# Altium PCB CRD25DA12N-FMC V1.1 (07-2023).PcbDoc (part 2 of 7) (continued)
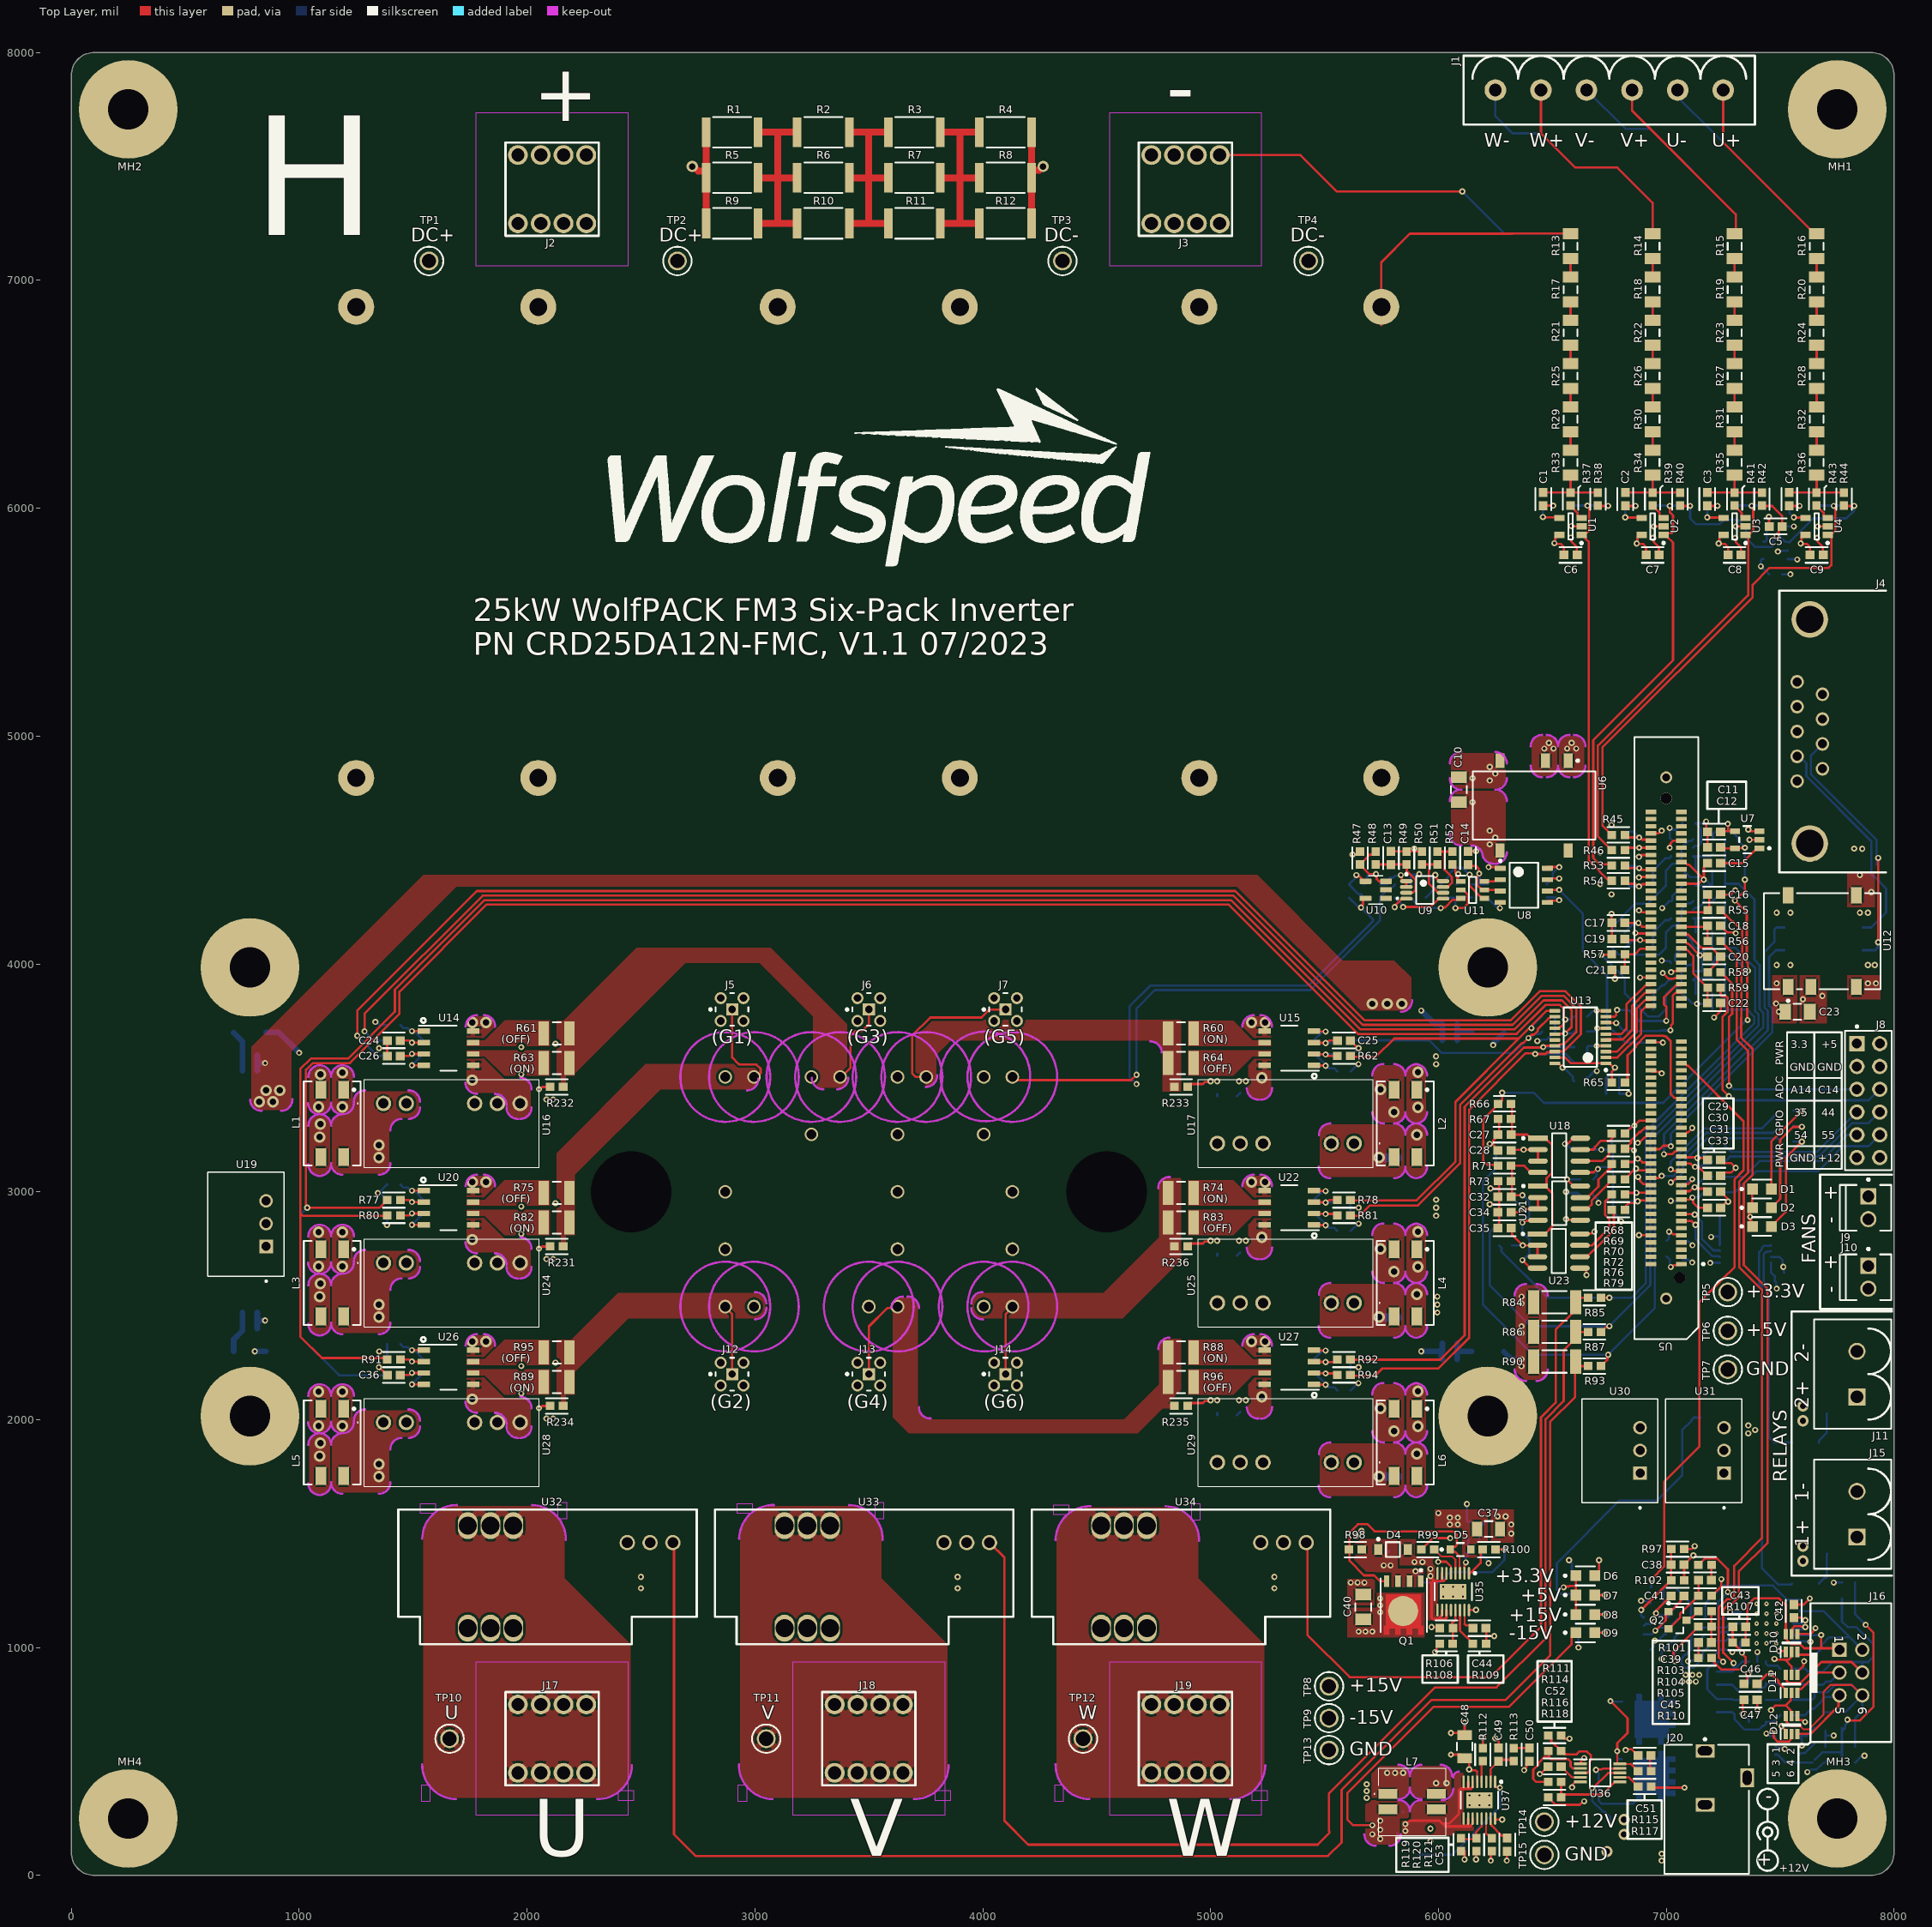
[diagram p0: Top Layer view]
## Part data
C1 C17 C19 C21 C28 C34 C35 C51 C60 C69 C78 C84 C169: "CAP CER 4700PF 25V 10% X7R 0603", Capacitance=4.7nF, Case Code (Imperial)=0603, Case Code (Metric)=1608, Dielectric=X7R, Dielectric Material=Ceramic, Manufacturer=KEMET, Manufacturer Part Number=C0603C472K3RACTU, Max Operating Temperature=125°C, Min Operating Temperature=-55°C, Package Quantity=1, Supplier Part Number 1=67AH9250, TOLERANCE=10%, Voltage Rating=25V, Category="Ceramic Capacitors", ComponentLink1Description=https://datasheet.ciiva.com/5414/kem-c1002-x7r-smd-357932-5414293.pdf?src-supplier=Mouser, ComponentLink1URL=https://datasheet.ciiva.com/5414/kem-c1002-x7r-smd-357932-5414293.pdf?src-supplier=Mouser, Construction=Flat, Depth=0.8mm, Dissipation Factor=10%, Height=0.8mm, Lead Pitch=0.7mm, Length=1.6mm, Mount="Surface Mount", Package=0603, Packaging="Tape and Reel", Pricing 1="1=0.04800, 4000=0.04800 (USD)", Radiation Hardening=No, Reach SVHC Compliant=Yes, RoHS=Yes, RoHS Compliant=Yes, Series=C, Stock 1=8000, Supplier 1=Newark, Termination=SMD/SMT, Thickness=0.034inch, Voltage Rating (DC)=25V, Width=0.031inch
C2 C3 C4 C39 C45 C57 C58 C59: "CAP CER 10000PF 25V X7R 0603", Capacitance=10nF, Case Code (Imperial)=0603, Case Code (Metric)=1608, Manufacturer=SAMSUNG, Max Operating Temperature=125°C, Min Operating Temperature=-55°C, Ratings=AEC-Q200, TOLERANCE=10%, Voltage Rating=25V, Category="Ceramic Capacitors", ComponentLink1Description=http://www.samsungsem.com/kr/support/product-search/mlcc/CL10B103KA8WPNC.jsp?src-supplier=Digi-Key, ComponentLink1URL=http://www.samsungsem.com/kr/support/product-search/mlcc/CL10B103KA8WPNC.jsp?src-supplier=Digi-Key, ComponentLink2Description=http://www.samsungsem.com/kr/support/library/product-catalog/mlcc.jsp?src-supplier=Digi-Key, ComponentLink2URL=http://www.samsungsem.com/kr/support/library/product-catalog/mlcc.jsp?src-supplier=Digi-Key, ComponentLink3Description=http://www.samsungsem.com/servlet/FileDownload?filename=productcatalog/pdf/MLCC.pdf&src-supplier=Avnet, ComponentLink3URL=http://www.samsungsem.com/servlet/FileDownload?filename=productcatalog/pdf/MLCC.pdf&src-supplier=Avnet, Features="Soft Termination", Length=0.063inch, Manufacturer Part Number=CL10B103KA8WPNC, Mount="Surface Mount", Package=0603, Packaging="Tape and Reel", Pricing 1="4000=0.00760, 8000=0.00670, 28000=0.00660, 100000=0.00500 (USD)", RoHS=Yes, RoHS Compliant=Yes, Stock 1=144000, Supplier 1="Arrow Electronics", Supplier Part Number 1=CL10B103KA8WPNC, Thickness=0.035inch, Width=0.031inch
C5 C6 C7 C8 C9 C11 C12 C13 C14 C15 C27 C32 C38 C42 C44 C46 C47 C53 C61 C62 C64 C73 C74 C75 C76 C77 C81 C82 C83 C104 C109 C111 C114 C126 C129 C167 C171 C172 C177 C179 C180 C181: library part CMP-2006-03057-2, "CAP CER 0.1UF 25V X7R 0603", Capacitance=0.10μF, Manufacturer=KEMET, Package=0603, Temperature="-55°C to +125°C", Temperature Characteristic=X7R, Temperature Coefficient=30ppm/°C, Temperature Range High=+125°C, Temperature Range Low=-55°C, TOLERANCE=0.1, Voltage Rating=25V, Automotive=Yes, Automotive Grade="Grade 1", Category=Cap, ComponentLink2Description=Datasheet, ComponentLink2URL=https://api.kemet.com/component-edge/download/datasheet/C0603C100J5GACAUTO.pdf, Device Class L1="Passive Components", Device Class L2=Capacitors, Device Class L3="Ceramic Capacitors", Digikey Description="CAP CER 0.1UF 25V X7R 0603", Height=0.87mm, Lead Free=Yes, Manufacturer Part Number=C0603C104K3RACTU, Material=Ceramic, Mouser Description="Multilayer Ceramic Capacitors MLCC - SMD/SMT 25volts 0.1uF X7R 10%", Octopart=https://octopart.com/c0603c104k3ractu-kemet-127541, RoHS=TRUE
C10 C23 C40 C63 C67 C91 C92 C96 C97 C98 C99 C100 C101 C105 C106 C112 C122 C123 C125 C127 C128 C130 C131 C133 C134 C135 C136 C143 C144 C146 C147 C148 C149 C150 C151 C152 C153 C154 C155 C156 C157 C183 C184: library part CMP-13271-001434-1, "CAP CER 10UF 25V X7R 1206", Capacitance=10μF, Case Code (Imperial)=1206, Case Code (Metric)=3216, Dielectric=X7R, Manufacturer=SAMSUNG, Max Operating Temperature=125°C, Min Operating Temperature=-55°C, Package Quantity=1, TOLERANCE=10%, Voltage Rating=25V, Contact Plating=Tin, Depth=1.6mm, Height=1.6mm, Length=0.126inch, Manufacturer Part Number=CL31B106KAHSFNE, Mount="Surface Mount", Package=1206, Packaging="Tape and Reel", Radiation Hardening=No, Thickness=0.071inch, Width=0.063inch
C16 C18 C41 C50 C158: library part CMP-2006-03716-2, "CAP CER 1000PF 50V X7R 0603", Capacitance=1nF, Manufacturer=KEMET, Package=0603, Temperature="-55°C to +125°C", Temperature Characteristic=X7R, Temperature Coefficient=30ppm/°C, Temperature Range High=+125°C, Temperature Range Low=-55°C, TOLERANCE=0.1, Voltage Rating="50 V", Automotive=Yes, Automotive Grade="Grade 1", Category=Cap, ComponentLink2Description=Datasheet, ComponentLink2URL=https://api.kemet.com/component-edge/download/datasheet/C0603C100J5GACAUTO.pdf, Device Class L1="Passive Components", Device Class L2=Capacitors, Device Class L3="Ceramic Capacitors", Digikey Description="CAP CER 1000PF 50V X7R 0603", Height=0.87mm, Lead Free=Yes, Manufacturer Part Number=C0603C102K5RACAUTO, Material=Ceramic, Mouser Description="Multilayer Ceramic Capacitors MLCC - SMD/SMT 1000pF 50volts 10% X7R AUTO", Octopart=https://octopart.com/c0603c102k5racauto-kemet-18822673, RoHS=TRUE
C20 C22 C24 C25 C26 C29 C30 C31 C33 C36 C49 C90 C94 C102 C103 C107 C108 C113 C115 C116 C119 C120 C121 C138 C139 C142 C160: "CAP CER 56PF 50V C0G/NP0 0603", Capacitance=56pF, Case Code (Imperial)=0603, Case Code (Metric)=1608, Dielectric=C0G, Manufacturer=SAMSUNG, Max Operating Temperature=125°C, Min Operating Temperature=-55°C, Package Quantity=1, Temperature Coefficient=30ppm/°C, TOLERANCE=5%, Voltage=50V, Category="Ceramic Capacitors", ComponentLink1Description=https://datasheet.ciiva.com/25803/cl10c560jb8nnnc-25803592.pdf?src-supplier=Digi-Key, ComponentLink1URL=https://datasheet.ciiva.com/25803/cl10c560jb8nnnc-25803592.pdf?src-supplier=Digi-Key, ComponentLink2Description=https://datasheet.ciiva.com/26838/getdatasheetpartid-640760-26838546.pdf?src-supplier=Verical, ComponentLink2URL=https://datasheet.ciiva.com/26838/getdatasheetpartid-640760-26838546.pdf?src-supplier=Verical, ComponentLink3Description=https://datasheet.ciiva.com/29198/456837-da-01-en-vs-kondensator-0603-29198873.pdf?src-supplier=Conrad, ComponentLink3URL=https://datasheet.ciiva.com/29198/456837-da-01-en-vs-kondensator-0603-29198873.pdf?src-supplier=Conrad, ComponentLink4Description=https://datasheet.ciiva.com/48428/mlcc-catalogdownload2013-eng-48428598.pdf?src-supplier=Distrelec, ComponentLink4URL=https://datasheet.ciiva.com/48428/mlcc-catalogdownload2013-eng-48428598.pdf?src-supplier=Distrelec, ComponentLink5Description=https://datasheet.ciiva.com/16449/cl05b104kq5nnnc-16449527.pdf?src-supplier=Future+Electronics, ComponentLink5URL=https://datasheet.ciiva.com/16449/cl05b104kq5nnnc-16449527.pdf?src-supplier=Future+Electronics, Construction=Flat, Depth=0.8mm, Height=0.8mm, Lead Free="Lead Free", Length=1.6mm, Manufacturer Part Number=CL10C560JB8NNNC, Material=Ceramic, Mount="Surface Mount", Package=0603, Packaging="Tape and Reel", Pricing 1="1=0.05960, 10=0.01370, 25=0.01360, 100=0.01080, 250=0.01070, 500=0.00740, 1000=0.00590, 3000=0.00560, 6000=0.00530, 15000=0.00500, 30000=0.00470 (USD)", Radiation Hardening=No, RoHS=Yes, RoHS Compliant=Yes, Series=CL, Stock 1=60182, Supplier 1="Arrow Electronics", Supplier Part Number 1=CL10C560JB8NNNC, Termination=SMD/SMT, Thickness=0.035inch, Voltage Rating=50V, Voltage Rating (DC)=50V, Width=0.031inch
C37 C48 C159 C161 C162 C163 C164 C165 C166: library part CMP-13271-001123-1, "CAP CER 4.7UF 50V X7R 1206", Capacitance=4.7μF, Case Code (Imperial)=1206, Case Code (Metric)=3216, Dielectric=X7R, Manufacturer=SAMSUNG, Max Operating Temperature=125°C, Min Operating Temperature=-55°C, Package Quantity=1, TOLERANCE=10%, Voltage Rating=50V, Depth=1.6mm, Height=1.6mm, Length=3.2mm, Manufacturer Part Number=CL31B475KBHNFNE, Mount="Surface Mount", Package=1206, Packaging="Tape and Reel", Radiation Hardening=No, Thickness=0.071inch, Width=0.063inch
C43 C170: "CAP CER 18PF 50V C0G/NP0 0603", Capacitance=18pF, Case Code (Imperial)=0603, Case Code (Metric)=1608, Dielectric=C0G, Dielectric Material=Ceramic, Insulation Resistance=100GR, Manufacturer="KYOCERA AVX", Max Operating Temperature=125°C, Min Operating Temperature=-55°C, Package Quantity=1, Supplier Part Number 1=1349617, Temperature Coefficient=30ppm/°C, TOLERANCE=5%, Voltage=50V, Category="Ceramic Capacitors", ComponentLink1Description=https://datasheet.ciiva.com/1124/84496-1124722.pdf?src-supplier=Element14, ComponentLink1URL=https://datasheet.ciiva.com/1124/84496-1124722.pdf?src-supplier=Element14, ComponentLink2Description=https://datasheet.ciiva.com/22699/84496-22699967.pdf?src-supplier=Element14, ComponentLink2URL=https://datasheet.ciiva.com/22699/84496-22699967.pdf?src-supplier=Element14, ComponentLink3Description=https://datasheet.ciiva.com/7855/759117-7855062.pdf?src-supplier=Element14, ComponentLink3URL=https://datasheet.ciiva.com/7855/759117-7855062.pdf?src-supplier=Element14, ComponentLink4Description=https://datasheet.ciiva.com/7855/84496-7855222.pdf?src-supplier=Element14, ComponentLink4URL=https://datasheet.ciiva.com/7855/84496-7855222.pdf?src-supplier=Element14, ComponentLink5Description=https://datasheet.ciiva.com/150/ccog-150276.pdf?src-supplier=Digi-Key, ComponentLink5URL=https://datasheet.ciiva.com/150/ccog-150276.pdf?src-supplier=Digi-Key, ComponentLink6Description=https://datasheet.ciiva.com/150/ccog-150277.pdf?src-supplier=Digi-Key, ComponentLink6URL=https://datasheet.ciiva.com/150/ccog-150277.pdf?src-supplier=Digi-Key, Contact Plating=Tin,Matte, Depth=0.81mm, Height=0.86mm, Lead Free="Lead Free", Length=1.6mm, Manufacturer Part Number=06035A180JAT2A, Mount="Surface Mount", Number of Pins=2, Package=0603, Packaging="Tape and Reel", Pricing 1="4000=0.01900, 12000=0.01700 (USD)", Radiation Hardening=No, Reach SVHC Compliant=Yes, RoHS=Yes, RoHS Compliant=Yes, Series=-, Stock 1=1, Supplier 1=Rs, Termination=SMD/SMT, Thickness=0.035inch, Voltage Rating=50V, Voltage Rating (DC)=50V, Width=0.032inch
C52: "CAP CER 0.022UF 50V X7R 0805", Capacitance=22nF, Case Code (Imperial)=0805, Case Code (Metric)=2012, Dielectric=X7R, Dielectric Material=Ceramic, Insulation Resistance=100GR, Manufacturer=YAGEO, Max Operating Temperature=125°C, Min Operating Temperature=-55°C, Package Quantity=1, Supplier Part Number 1=2104784, TOLERANCE=10%, Voltage=50V, Category="Ceramic Capacitors", ComponentLink1Description=https://datasheet.ciiva.com/33738/70765-33738014.pdf?src-supplier=Farnell, ComponentLink1URL=https://datasheet.ciiva.com/33738/70765-33738014.pdf?src-supplier=Farnell, ComponentLink2Description=https://datasheet.ciiva.com/46393/1489800-46393306.pdf?src-supplier=Element14, ComponentLink2URL=https://datasheet.ciiva.com/46393/1489800-46393306.pdf?src-supplier=Element14, ComponentLink3Description=https://datasheet.ciiva.com/7978/1489800-7978213.pdf?src-supplier=Element14, ComponentLink3URL=https://datasheet.ciiva.com/7978/1489800-7978213.pdf?src-supplier=Element14, ComponentLink4Description=https://datasheet.ciiva.com/28450/1489800-28450821.pdf?src-supplier=Element14, ComponentLink4URL=https://datasheet.ciiva.com/28450/1489800-28450821.pdf?src-supplier=Element14, ComponentLink5Description=https://datasheet.ciiva.com/144/mlccorderingcode-144788.pdf?src-supplier=Digi-Key, ComponentLink5URL=https://datasheet.ciiva.com/144/mlccorderingcode-144788.pdf?src-supplier=Digi-Key, ComponentLink6Description=https://datasheet.ciiva.com/144/mlccorderingcode-144787.pdf?src-supplier=Digi-Key, ComponentLink6URL=https://datasheet.ciiva.com/144/mlccorderingcode-144787.pdf?src-supplier=Digi-Key, ComponentLink7Description=https://datasheet.ciiva.com/144/mlccorderingcode-144789.pdf?src-supplier=Digi-Key, ComponentLink7URL=https://datasheet.ciiva.com/144/mlccorderingcode-144789.pdf?src-supplier=Digi-Key, ComponentLink8Description=https://datasheet.ciiva.com/46392/1489800-46392565.pdf?src-supplier=Element14, ComponentLink8URL=https://datasheet.ciiva.com/46392/1489800-46392565.pdf?src-supplier=Element14, ComponentLink9Description=https://datasheet.ciiva.com/11464/upy-gphc-x7r-6-3v-to-50v-8-11464758.pdf?src-supplier=Avnet, ComponentLink9URL=https://datasheet.ciiva.com/11464/upy-gphc-x7r-6-3v-to-50v-8-11464758.pdf?src-supplier=Avnet, ComponentLink10Description=https://datasheet.ciiva.com/15189/getdatasheetpartid-343434-15189228.pdf?src-supplier=Verical, ComponentLink10URL=https://datasheet.ciiva.com/15189/getdatasheetpartid-343434-15189228.pdf?src-supplier=Verical, ComponentLink11Description=https://datasheet.ciiva.com/29242/445416-da-01-en-kerko-chip-0805-x7r-0-022uf-10proz50vg-29242108.pdf?src-supplier=Conrad, ComponentLink11URL=https://datasheet.ciiva.com/29242/445416-da-01-en-kerko-chip-0805-x7r-0-022uf-10proz50vg-29242108.pdf?src-supplier=Conrad, Depth=1.25mm, Halogen Free="Halogen Free", Height=0.6mm, Lead Free="Lead Free", Length=2mm, Manufacturer Part Number=CC0805KRX7R9BB223, Material=Ceramic, Mount="Surface Mount", Number of Pins=2, Package=0805, Packaging="Tape and Reel", Pricing 1="4000=0.00800, 16000=0.00760, 60000=0.00730, 100000=0.00710, 200000=0.00670 (USD)", Radiation Hardening=No, Reach SVHC Compliant=Yes, Resistor Type=Ceramic, RoHS=Yes, RoHS Compliant=Yes, Series=CC, Stock 1=1604000, Supplier 1="Future Electronics", Termination=SMD/SMT, Thickness=0.024inch, Voltage Rating=50V, Voltage Rating (DC)=50V, Width=1.25mm
C54 C55 C56: "CAP FILM 65UF 5% 1.1KVDC RAD", Capacitance=65µF, Manufacturer=KEMET, Package=RADIAL, Supplier Part Number 1=399-C4AQQEW5650A3BJ-ND, Voltage=1.1kV, Category="Film Capacitors", Manufacturer Part Number=C4AQQEW5650A3BJ, Pricing 1="1=19.26000, 10=18.24800, 50=15.71360, 100=14.69980, 500=13.17910 (USD)", RoHS=Yes, RoHS Compliant=No, Stock 1=1080, Supplier 1=Digi-Key
C65 C66 C68 C72: library part CMP-06035-043171-1, "CAP CER 0.27UF 16V X7R 0603", Capacitance=0.27μF, Dielectric=X7R, Manufacturer=MURATA, Package=0603, TOLERANCE=10%, Voltage Rating (DC)=16V, Manufacturer Part Number=GCM188R71C274KA37D
C70 C71 C79 C80 C85 C86: "CAP CER 100PF 50V C0G/NP0 0603", Capacitance=100pF, Case Code (Imperial)=0603, Case Code (Metric)=1608, Dielectric=C0G, Manufacturer=SAMSUNG, Max Operating Temperature=125°C, Min Operating Temperature=-55°C, Package Quantity=1, Supplier Part Number 1=7665130, Temperature Coefficient=300ppm/°C, TOLERANCE=5%, Voltage=50V, Category="Ceramic Capacitors", ComponentLink1Description=https://datasheet.ciiva.com/25782/cl10c101jb8nnnc-25782145.pdf?src-supplier=Digi-Key, ComponentLink1URL=https://datasheet.ciiva.com/25782/cl10c101jb8nnnc-25782145.pdf?src-supplier=Digi-Key, ComponentLink2Description=https://datasheet.ciiva.com/26838/getdatasheetpartid-358356-26838483.pdf?src-supplier=Verical, ComponentLink2URL=https://datasheet.ciiva.com/26838/getdatasheetpartid-358356-26838483.pdf?src-supplier=Verical, ComponentLink3Description=https://datasheet.ciiva.com/29199/456574-da-01-en-vs-kondensator-0603-29199002.pdf?src-supplier=Conrad, ComponentLink3URL=https://datasheet.ciiva.com/29199/456574-da-01-en-vs-kondensator-0603-29199002.pdf?src-supplier=Conrad, ComponentLink4Description=https://datasheet.ciiva.com/26310/mlcc-catalogdownload2013-eng-26310303.pdf?src-supplier=Distrelec, ComponentLink4URL=https://datasheet.ciiva.com/26310/mlcc-catalogdownload2013-eng-26310303.pdf?src-supplier=Distrelec, Construction=Flat, Contact Plating=Tin, Depth=0.8mm, Height=0.8mm, Lead Free="Lead Free", Length=1.6mm, Manufacturer Part Number=CL10C101JB8NNNC, Material=Ceramic, Mount="Surface Mount", Package=0603, Packaging="Tape and Reel", Radiation Hardening=No, RoHS=Yes, RoHS Compliant=Yes, Series=CL, Stock 1=488000, Supplier 1=Rs, Thickness=0.035inch, Voltage Rating=50V, Voltage Rating (DC)=50V, Width=0.031inch
C87 C88 C89 C93 C95 C110 C117 C118 C124 C132 C137 C140 C141 C145: "CAP CER 2.2UF 50V X5R 0603", Capacitance=2.2μF, Case Code (Imperial)=0603, Case Code (Metric)=1608, Manufacturer=MURATA, Max Operating Temperature=85°C, Min Operating Temperature=-55°C, Ratings=AEC-Q200, TOLERANCE=20%, Voltage Rating=50V, Category="Ceramic Capacitors", ComponentLink1Description=http://search.murata.co.jp/Ceramy/image/img/A01X/G101/ENG/GRT188R61H225ME13-01.pdf?src-supplier=Digi-Key, ComponentLink1URL=http://search.murata.co.jp/Ceramy/image/img/A01X/G101/ENG/GRT188R61H225ME13-01.pdf?src-supplier=Digi-Key, ComponentLink2Description=https://search.murata.co.jp/Ceramy/image/img/A01X/G101/ENG/GRT188R61H225ME13-01.pdf?src-supplier=Digi-Key, ComponentLink2URL=https://search.murata.co.jp/Ceramy/image/img/A01X/G101/ENG/GRT188R61H225ME13-01.pdf?src-supplier=Digi-Key, Length=0.063inch, Manufacturer Part Number=GRT188R61H225ME13D, Mount="Surface Mount", Package=0603, Packaging="Tape and Reel", Pricing 1="1=0.29580, 10=0.20370, 25=0.18090, 100=0.12380, 250=0.12190, 500=0.10920, 1000=0.07700, 3000=0.07630 (USD)", RoHS=Yes, RoHS Compliant=Yes, Stock 1=3937, Supplier 1="Arrow Electronics", Supplier Part Number 1=GRT188R61H225ME13D, Thickness=0.035inch, Width=0.031inch
C168 C174 C176 C178: library part CMP-03020-020944-2, "CAP CER 330PF 250V C0G/NP0 0603", Capacitance=330pF, Manufacturer=KEMET, Package=0603, Temperature="-55°C to +125°C", Temperature Characteristic=C0G, Temperature Coefficient=30ppm/°C, Temperature Range High=+125°C, Temperature Range Low=-55°C, TOLERANCE=0.05, Voltage Rating="250 V", Automotive=Yes, Automotive Grade="Grade 1", Category=Cap, ComponentLink2Description=Datasheet, ComponentLink2URL=https://api.kemet.com/component-edge/download/datasheet/C0603C100J5GACAUTO.pdf, Device Class L1="Passive Components", Device Class L2=Capacitors, Device Class L3="Ceramic Capacitors", Digikey Description="Cap Ceramic 330pF 250V C0G 5% SMD 0603 125°C Paper T/R", Height=0.87mm, Lead Free=Yes, Manufacturer Part Number=C0603C331JAGAC7867, Material=Ceramic, Octopart=https://octopart.com/c0603c331jagac7867-kemet-83501965, RoHS=TRUE
C173 C175: "CAP CER 47PF 100V C0G/NP0 0603", Capacitance=47pF, Case Code (Imperial)=0603, Case Code (Metric)=1608, Dielectric=C0G, Dielectric Material=Ceramic, Manufacturer=KEMET, Max Operating Temperature=125°C, Min Operating Temperature=-55°C, Package Quantity=4000, Supplier Part Number 1=8015369, Temperature Coefficient=30ppm/°C, TOLERANCE=5%, Voltage=100V, Category="Ceramic Capacitors", ComponentLink1Description=https://datasheet.ciiva.com/28668/1789732-28668693.pdf?src-supplier=Element14, ComponentLink1URL=https://datasheet.ciiva.com/28668/1789732-28668693.pdf?src-supplier=Element14, Construction=Flat, Depth=0.8mm, Dissipation Factor=0.1%, Height=0.8mm, Lead Free="Lead Free", Lead Pitch=0.7mm, Length=1.6mm, Manufacturer Part Number=C0603C470J1GACTU, Mount="Surface Mount,PCB", Number of Pins=2, Package=0603, Packaging="Tape and Reel", Pricing 1="100=0.04300, 1000=0.03200, 2000=0.02200, 4000=0.02100, 8000=0.02000 (USD)", Radiation Hardening=No, Reach SVHC Compliant=Yes, RoHS=Yes, RoHS Compliant=Yes, Series=C, Stock 1=1, Supplier 1=Rs, Termination=SMD/SMT, Thickness=0.034inch, Voltage Rating=100V, Voltage Rating (DC)=100V, Width=0.031inch
C182: "CAP CER 1UF 50V X7R 0805", Capacitance=1μF, Case Code (Imperial)=0805, Case Code (Metric)=2012, Dielectric=X7R, Manufacturer=SAMSUNG, Max Operating Temperature=125°C, Min Operating Temperature=-55°C, Package Quantity=1, Supplier Part Number 1=82AC9436, TOLERANCE=10%, Voltage=50V, Case/Package=0805, Category="Ceramic Capacitors", ComponentLink1Description=https://datasheet.ciiva.com/25800/cl21b105kbfnnne-25800291.pdf?src-supplier=Digi-Key, ComponentLink1URL=https://datasheet.ciiva.com/25800/cl21b105kbfnnne-25800291.pdf?src-supplier=Digi-Key, ComponentLink2Description=https://datasheet.ciiva.com/16449/cl21b105kbfnnne-16449003.pdf?src-supplier=Future+Electronics, ComponentLink2URL=https://datasheet.ciiva.com/16449/cl21b105kbfnnne-16449003.pdf?src-supplier=Future+Electronics, ComponentLink3Description=https://datasheet.ciiva.com/26838/getdatasheetpartid-354075-26838668.pdf?src-supplier=Verical, ComponentLink3URL=https://datasheet.ciiva.com/26838/getdatasheetpartid-354075-26838668.pdf?src-supplier=Verical, Construction=Flat, Depth=1.25mm, Height=1.25mm, Length=2mm, Manufacturer Part Number=CL21B105KBFNNNE, Mount="Surface Mount", Package=0805, Packaging="Tape and Reel", Pricing 1="1=0.01000, 2000=0.01000, 4000=0.01000 (USD)", Radiation Hardening=No, RoHS=Yes, RoHS Compliant=Yes, Series=CL, Stock 1=42000, Supplier 1=Newark, Thickness=0.053inch, Voltage Rating=50V, Width=0.049inch
D1: "LED RED DIFFUSED 0805 SMD", Case Code (Imperial)=0805, Case Code (Metric)=2012, Color=RED, Forward Current=20mA, Forward Voltage=2V, Illumination Color=Red, Manufacturer="VISUAL COMMUNICATIONS", Max Operating Temperature=85°C, Min Operating Temperature=-40°C, Package Quantity=1, Power Rating=100mW, Reverse Voltage=5V, Supplier Part Number 1=45X6246, Category=LEDs, ComponentLink1Description=http://www.mouser.com/ds/2/423/CMD1721ver1-1064576.pdf?src-supplier=Mouser, ComponentLink1URL=http://www.mouser.com/ds/2/423/CMD1721ver1-1064576.pdf?src-supplier=Mouser, ComponentLink2Description=https://www.alliedelec.com/m/d/ea8f758becbd32522d2612194452bcae.pdf?src-supplier=Allied+Electronics, ComponentLink2URL=https://www.alliedelec.com/m/d/ea8f758becbd32522d2612194452bcae.pdf?src-supplier=Allied+Electronics, ComponentLink3Description=http://www.onlinecomponents.com/productFiles/mf-CM/2cmd17-21seriessmtleds0805packagesize.pdf?src-supplier=Onlinecomponents.com, ComponentLink3URL=http://www.onlinecomponents.com/productFiles/mf-CM/2cmd17-21seriessmtleds0805packagesize.pdf?src-supplier=Onlinecomponents.com, ComponentLink4Description=https://vcclite.com/wp-content/uploads/wpallimport/files/files/CMD1721Seriesver3.pdf?src-supplier=Digi-Key, ComponentLink4URL=https://vcclite.com/wp-content/uploads/wpallimport/files/files/CMD1721Seriesver3.pdf?src-supplier=Digi-Key, Height=1.1mm, Lead Free="Lead Free", Length=2mm, Lens Color=Red, Lens Style=Diffused,Tinted,Rectangular,Colored, Luminous Intensity=6mcd, Manufacturer Part Number=CMD17-21VRD/TR8, Mount="Surface Mount", Number of LEDs=1, Number of Pins=2, Package=0805, Packaging="Tape and Reel", Pricing 1="1=0.55000, 25=0.37500, 50=0.31600, 100=0.25700, 250=0.25600, 500=0.25400, 1000=0.21500 (USD)", Reverse Voltage (DC)=5V, RoHS=Yes, RoHS Compliant=Yes, Stock 1=1791, Supplier 1=Newark, Test Current=20mA, Viewing Angle=140°, Wavelength=640nm, Width=1.25mm
D2: "LED YELLOW CLEAR 0805 SMD", Case Code (Imperial)=0805, Case Code (Metric)=2012, Color=Yellow, Forward Current=30mA, Forward Voltage=2V, Lens Color=Colorless, Manufacturer=LITE-ON, Max Operating Temperature=85°C, Max Power Dissipation=75mW, Min Operating Temperature=-55°C, Package Quantity=1, Reverse Voltage=5V, Supplier Part Number 1=6920950, Test Current=20mA, Category=LEDs, ComponentLink1Description=https://datasheet.ciiva.com/19466/2075639-19466196.pdf?src-supplier=Jameco, ComponentLink1URL=https://datasheet.ciiva.com/19466/2075639-19466196.pdf?src-supplier=Jameco, ComponentLink2Description=https://datasheet.ciiva.com/12403/lite-on-ltst-c171kskt-190118-12403721.pdf?src-supplier=Mouser, ComponentLink2URL=https://datasheet.ciiva.com/12403/lite-on-ltst-c171kskt-190118-12403721.pdf?src-supplier=Mouser, ComponentLink3Description=https://datasheet.ciiva.com/16200/lite-on20ltst-c171kskt-16200102.pdf?src-supplier=Future+Electronics, ComponentLink3URL=https://datasheet.ciiva.com/16200/lite-on20ltst-c171kskt-16200102.pdf?src-supplier=Future+Electronics, ComponentLink4Description=https://datasheet.ciiva.com/15118/getdatasheetpartid-233685-15118145.pdf?src-supplier=Verical, ComponentLink4URL=https://datasheet.ciiva.com/15118/getdatasheetpartid-233685-15118145.pdf?src-supplier=Verical, ComponentLink5Description=https://datasheet.ciiva.com/11774/0900766b80dc029a-11774587.pdf?src-supplier=Rs, ComponentLink5URL=https://datasheet.ciiva.com/11774/0900766b80dc029a-11774587.pdf?src-supplier=Rs, ComponentLink6Description=https://datasheet.ciiva.com/2110/s-110-ltst-c171kskt-2110148.pdf?src-supplier=Digi-Key, ComponentLink6URL=https://datasheet.ciiva.com/2110/s-110-ltst-c171kskt-2110148.pdf?src-supplier=Digi-Key, ComponentLink7Description=https://datasheet.ciiva.com/2110/s-110-ltst-c171kskt-2110147.pdf?src-supplier=Digi-Key, ComponentLink7URL=https://datasheet.ciiva.com/2110/s-110-ltst-c171kskt-2110147.pdf?src-supplier=Digi-Key, ComponentLink8Description=https://datasheet.ciiva.com/2110/s-110-ltst-c171kskt-2110149.pdf?src-supplier=Digi-Key, ComponentLink8URL=https://datasheet.ciiva.com/2110/s-110-ltst-c171kskt-2110149.pdf?src-supplier=Digi-Key, Depth=1.25mm, Dominant Wavelength=587nm, Height=0.8mm, Illumination Color=Yellow, Lead Free="Lead Free", Length=2mm, Lens Style=Diffused,Colorless,Rectangular,Clear, Lens Transparency=Clear, Luminous Intensity=50mcd, Manufacturer Part Number=LTST-C171KSKT, Mount="Surface Mount", Number of Elements=1, Number of LEDs=1, Number of Pins=2, Package=0805, Packaging="Tape and Reel", Power Dissipation=75mW, Power Rating=75mW, Radiation Hardening=No, RoHS=Yes, RoHS Compliant=Yes, Series="CHIPLED 0805", Stock 1=850, Supplier 1=Rs, Viewing Angle=130°, Wavelength=588nm, Width=1.25mm
D3 D6 D7 D8 D9: library part CMP-22017-000007-1, "LED GREEN CLEAR CHIP SMD", Case Code (Imperial)=0805, Case Code (Metric)=2012, Color=GREEN, Forward Current=30mA, Forward Voltage=2.1V, Illumination Color=Green, Lens Color=Colorless, Manufacturer=LITE-ON, Max Operating Temperature=85°C, Min Operating Temperature=-55°C, Package Quantity=1, Power Dissipation=100mW, Reverse Voltage=5V, Test Current=10mA, Case/Package=0805, Depth=1.25mm, Dominant Wavelength=569nm, Height=0.8mm, Lead Free="Lead Free", Length=2mm, Lens Style=Diffused, Lens Transparency=Clear, Luminous Intensity=12mcd, Manufacturer Part Number=LTST-C171GKT, Mount="Surface Mount", Number of Elements=1, Number of LEDs=1, Number of Pins=2, Package=0805, Packaging="Tape and Reel", Power Rating=100mW, Radiation Hardening=No, Viewing Angle=130°, Wavelength=585nm, Width=1.25mm
D4 D17 D18 D19: "DIODE SCHOTTKY 60V 2A SOD123FL", Average Rectified Current=2A, Forward Voltage=700mV, Manufacturer="MICRO COMMERCIAL", Manufacturer Print=MICRO, Max Operating Temperature=125°C, Max Power Dissipation=1.68W, Max Repetitive Reverse Voltage (Vrrm)=60V, Max Reverse Current=500uA, Max Surge Current=50A, Min Operating Temperature=-65°C, Package=SOD-123F, Package Quantity=1, Supplier Part Number 1=SMD26PL-TPMSCT-ND, Category="Rectifier Diodes", ComponentLink1Description=https://datasheet.ciiva.com/4717/smd22pl-smd210plsod-123fl-27814-4717414.pdf?src-supplier=Mouser, ComponentLink1URL=https://datasheet.ciiva.com/4717/smd22pl-smd210plsod-123fl-27814-4717414.pdf?src-supplier=Mouser, ComponentLink2Description=https://datasheet.ciiva.com/17444/smd22pl-smd210plsod-123fl-17444944.pdf?src-supplier=Future+Electronics, ComponentLink2URL=https://datasheet.ciiva.com/17444/smd22pl-smd210plsod-123fl-17444944.pdf?src-supplier=Future+Electronics, ComponentLink3Description=https://datasheet.ciiva.com/917/smd22pl-smd210plsod-123fl-917242.pdf?src-supplier=Digi-Key, ComponentLink3URL=https://datasheet.ciiva.com/917/smd22pl-smd210plsod-123fl-917242.pdf?src-supplier=Digi-Key, ComponentLink4Description=https://datasheet.ciiva.com/917/smd22pl-smd210plsod-123fl-917243.pdf?src-supplier=Digi-Key, ComponentLink4URL=https://datasheet.ciiva.com/917/smd22pl-smd210plsod-123fl-917243.pdf?src-supplier=Digi-Key, ComponentLink5Description=https://datasheet.ciiva.com/917/smd22pl-smd210plsod-123fl-917244.pdf?src-supplier=Digi-Key, ComponentLink5URL=https://datasheet.ciiva.com/917/smd22pl-smd210plsod-123fl-917244.pdf?src-supplier=Digi-Key, Lead Free="Lead Free", Manufacturer Part Number=SMD26PL-TP, Max Reverse Voltage (DC)=60V, Mount="Surface Mount", Number of Pins=2, Packaging="Tape and Reel", Pricing 1="1=0.40000, 10=0.30200, 100=0.18790, 500=0.12854, 1000=0.09888 (USD)", RoHS=Yes, RoHS Compliant=Yes, Stock 1=317348, Supplier 1=Digi-Key
D5: "DIODE SCHOTTKY 30V 200MA USC", Average Rectified Current=200mA, Manufacturer=TOSHIBA, Max Operating Temperature=100°C, Max Repetitive Reverse Voltage (Vrrm)=30V, Max Reverse Current=5uA, Min Operating Temperature=-40°C, Package=SOD-323, Peak Non-Repetitive Surge Current=1A, Supplier Part Number 1=CUS520H3FCT-ND, Category="Rectifier Diodes", ComponentLink1Description=https://toshiba.semicon-storage.com/info/docget.jsp?did=7041&prodName=CUS520&src-supplier=Digi-Key, ComponentLink1URL=https://toshiba.semicon-storage.com/info/docget.jsp?did=7041&prodName=CUS520&src-supplier=Digi-Key, ComponentLink2Description=http://toshiba.semicon-storage.com/info/docget.jsp?did=7041&prodName=CUS520&src-supplier=Avnet, ComponentLink2URL=http://toshiba.semicon-storage.com/info/docget.jsp?did=7041&prodName=CUS520&src-supplier=Avnet, ComponentLink3Description=http://toshiba.semicon-storage.com/info/lookup.jsp?pid=CUS520&amp;lang=en&src-supplier=Mouser, ComponentLink3URL=http://toshiba.semicon-storage.com/info/lookup.jsp?pid=CUS520&amp;lang=en&src-supplier=Mouser, Contact Plating=Tin,Silver, Element Configuration=Single, Manufacturer Part Number=CUS520,H3F, Manufacturer Print=TOSHIBA, Max Reverse Voltage (DC)=30V, Mount="Surface Mount", Number of Pins=2, Packaging="Tape and Reel", Pricing 1="1=0.20000, 10=0.16600, 100=0.08810, 500=0.05794, 1000=0.03940 (USD)", RoHS=No, RoHS Compliant=No, Stock 1=267256, Supplier 1=Digi-Key
D10 D11 D12: "DIODE ARRAY SCHOTTKY 40V SOT363", Manufacturer="MICRO COMMERCIAL", Manufacturer Print=MICRO, Manufacturer_Name="Micro Commercial Components (MCC)", Package=SOT-363, Class=DIO, Height=1.2mm, Manufacturer Part Number=BAS40DW-04-TP, Manufacturer_Part_Number=BAS40DW-04-TP
D13 D14 D15 D16: "LED PURPLE CLEAR 1206 SMD", Color=PURPLE, Manufacturer=Kingbright, Manufacturer Print=KINGBRIGHT, Package=1206, Supplier Part Number 1=604-APTR3216-VFX, Category=LEDs, Manufacturer Part Number=APTR3216-VFX, Pricing 1="1=0.84000, 10=0.55000, 50=0.55000, 100=0.36100, 1000=0.28500, 10000=0.25200 (USD)", RoHS=Yes, RoHS Compliant=Yes, Stock 1=19947, Supplier 1=Mouser
HS1: "HEATSINK EXTRUSION 150MM", Manufacturer="FISCHER ELEKTRONIK", Manufacturer Part Number=LA6/15012V, Natural Thermal Resistance=0.175°C/W, Package=N/A, Power Consumption=2.9W, Supplier Part Number 1=42M1958, Category=Uncategorized, ComponentLink1Description=https://datasheet.ciiva.com/14098/fmfischer-lufteraggregat-la6-en-14098709.pdf?src-supplier=Distrelec, ComponentLink1URL=https://datasheet.ciiva.com/14098/fmfischer-lufteraggregat-la6-en-14098709.pdf?src-supplier=Distrelec, ComponentLink2Description=https://datasheet.ciiva.com/1609/17634-1609751.pdf?src-supplier=Element14, ComponentLink2URL=https://datasheet.ciiva.com/1609/17634-1609751.pdf?src-supplier=Element14, Length=150mm, Material=Aluminium, Pricing 1="1=128.57000, 10=109.67000, 25=105.17000, 50=100.26000, 100=91.40000, 250=79.15000 (USD)", Reach SVHC Compliant=Yes, RoHS=Yes, Stock 1=135, Supplier 1=Newark, Weight=66g
J1: "TERM BLOCK HDR 6POS VERT 5.08MM", Color=Green,Grey, Current=12A, Flammability Rating="UL94 V-0", Housing Color=Green, Manufacturer="PHOENIX CONTACT", Package=N/A, Package Quantity=50, Supplier Part Number 1=1896240, Voltage=300V, Voltage Rating=250V, Approvals=UL,CSA,VDE,cULus,CB,EAC, Category="Terminal Blocks", ComponentLink1Description=https://datasheet.ciiva.com/16096/1755778-16096327.pdf?src-supplier=Onlinecomponents.com, ComponentLink1URL=https://datasheet.ciiva.com/16096/1755778-16096327.pdf?src-supplier=Onlinecomponents.com, ComponentLink2Description=https://datasheet.ciiva.com/15197/getdatasheetpartid-176346-15197318.pdf?src-supplier=Verical, ComponentLink2URL=https://datasheet.ciiva.com/15197/getdatasheetpartid-176346-15197318.pdf?src-supplier=Verical, ComponentLink3Description=https://datasheet.ciiva.com/796/1755778-796714.pdf?src-supplier=Digi-Key, ComponentLink3URL=https://datasheet.ciiva.com/796/1755778-796714.pdf?src-supplier=Digi-Key, ComponentLink4Description=https://datasheet.ciiva.com/29209/568561-da-01-en-grundgehaeuse-1755778-100-st-29209867.pdf?src-supplier=Conrad, ComponentLink4URL=https://datasheet.ciiva.com/29209/568561-da-01-en-grundgehaeuse-1755778-100-st-29209867.pdf?src-supplier=Conrad, ComponentLink5Description=https://datasheet.ciiva.com/18409/70054655-18409468.pdf?src-supplier=Allied+Electronics, ComponentLink5URL=https://datasheet.ciiva.com/18409/70054655-18409468.pdf?src-supplier=Allied+Electronics, Connector Type=Plug, Contact Material=Tin, Contact Plating=Tin, Current Rating=12A, Depth=8.6mm, Gender=Male, Height=15.9mm, Housing Material=Polybutylene, Lead Free="Lead Free", Length=32.48mm, Manufacturer Part Number=1755778, Manufacturer Print="PHOENIX CONTACT", Max Current Rating=12A, Mount="Through Hole", Number of Contacts=6, Number of Levels=1, Number of Poles=6, Number of Positions=6, Number of Positions Per Level=6, Number of Rows=1, Orientation=Straight, Packaging=Bulk, Pitch=5.08mm, RoHS=Yes, RoHS Compliant=Yes, Series=MSTBVA, Stock 1=400, Supplier 1=Rs, Termination=Solder, Voltage Rating (DC)=250V, Weight=5.467464oz, Width=32.48mm